# Allegro board 1156197-TDI_VU3P_QSFP28_CXP_V001_1023A-166-20241121_1644_PCB.brd (continued)
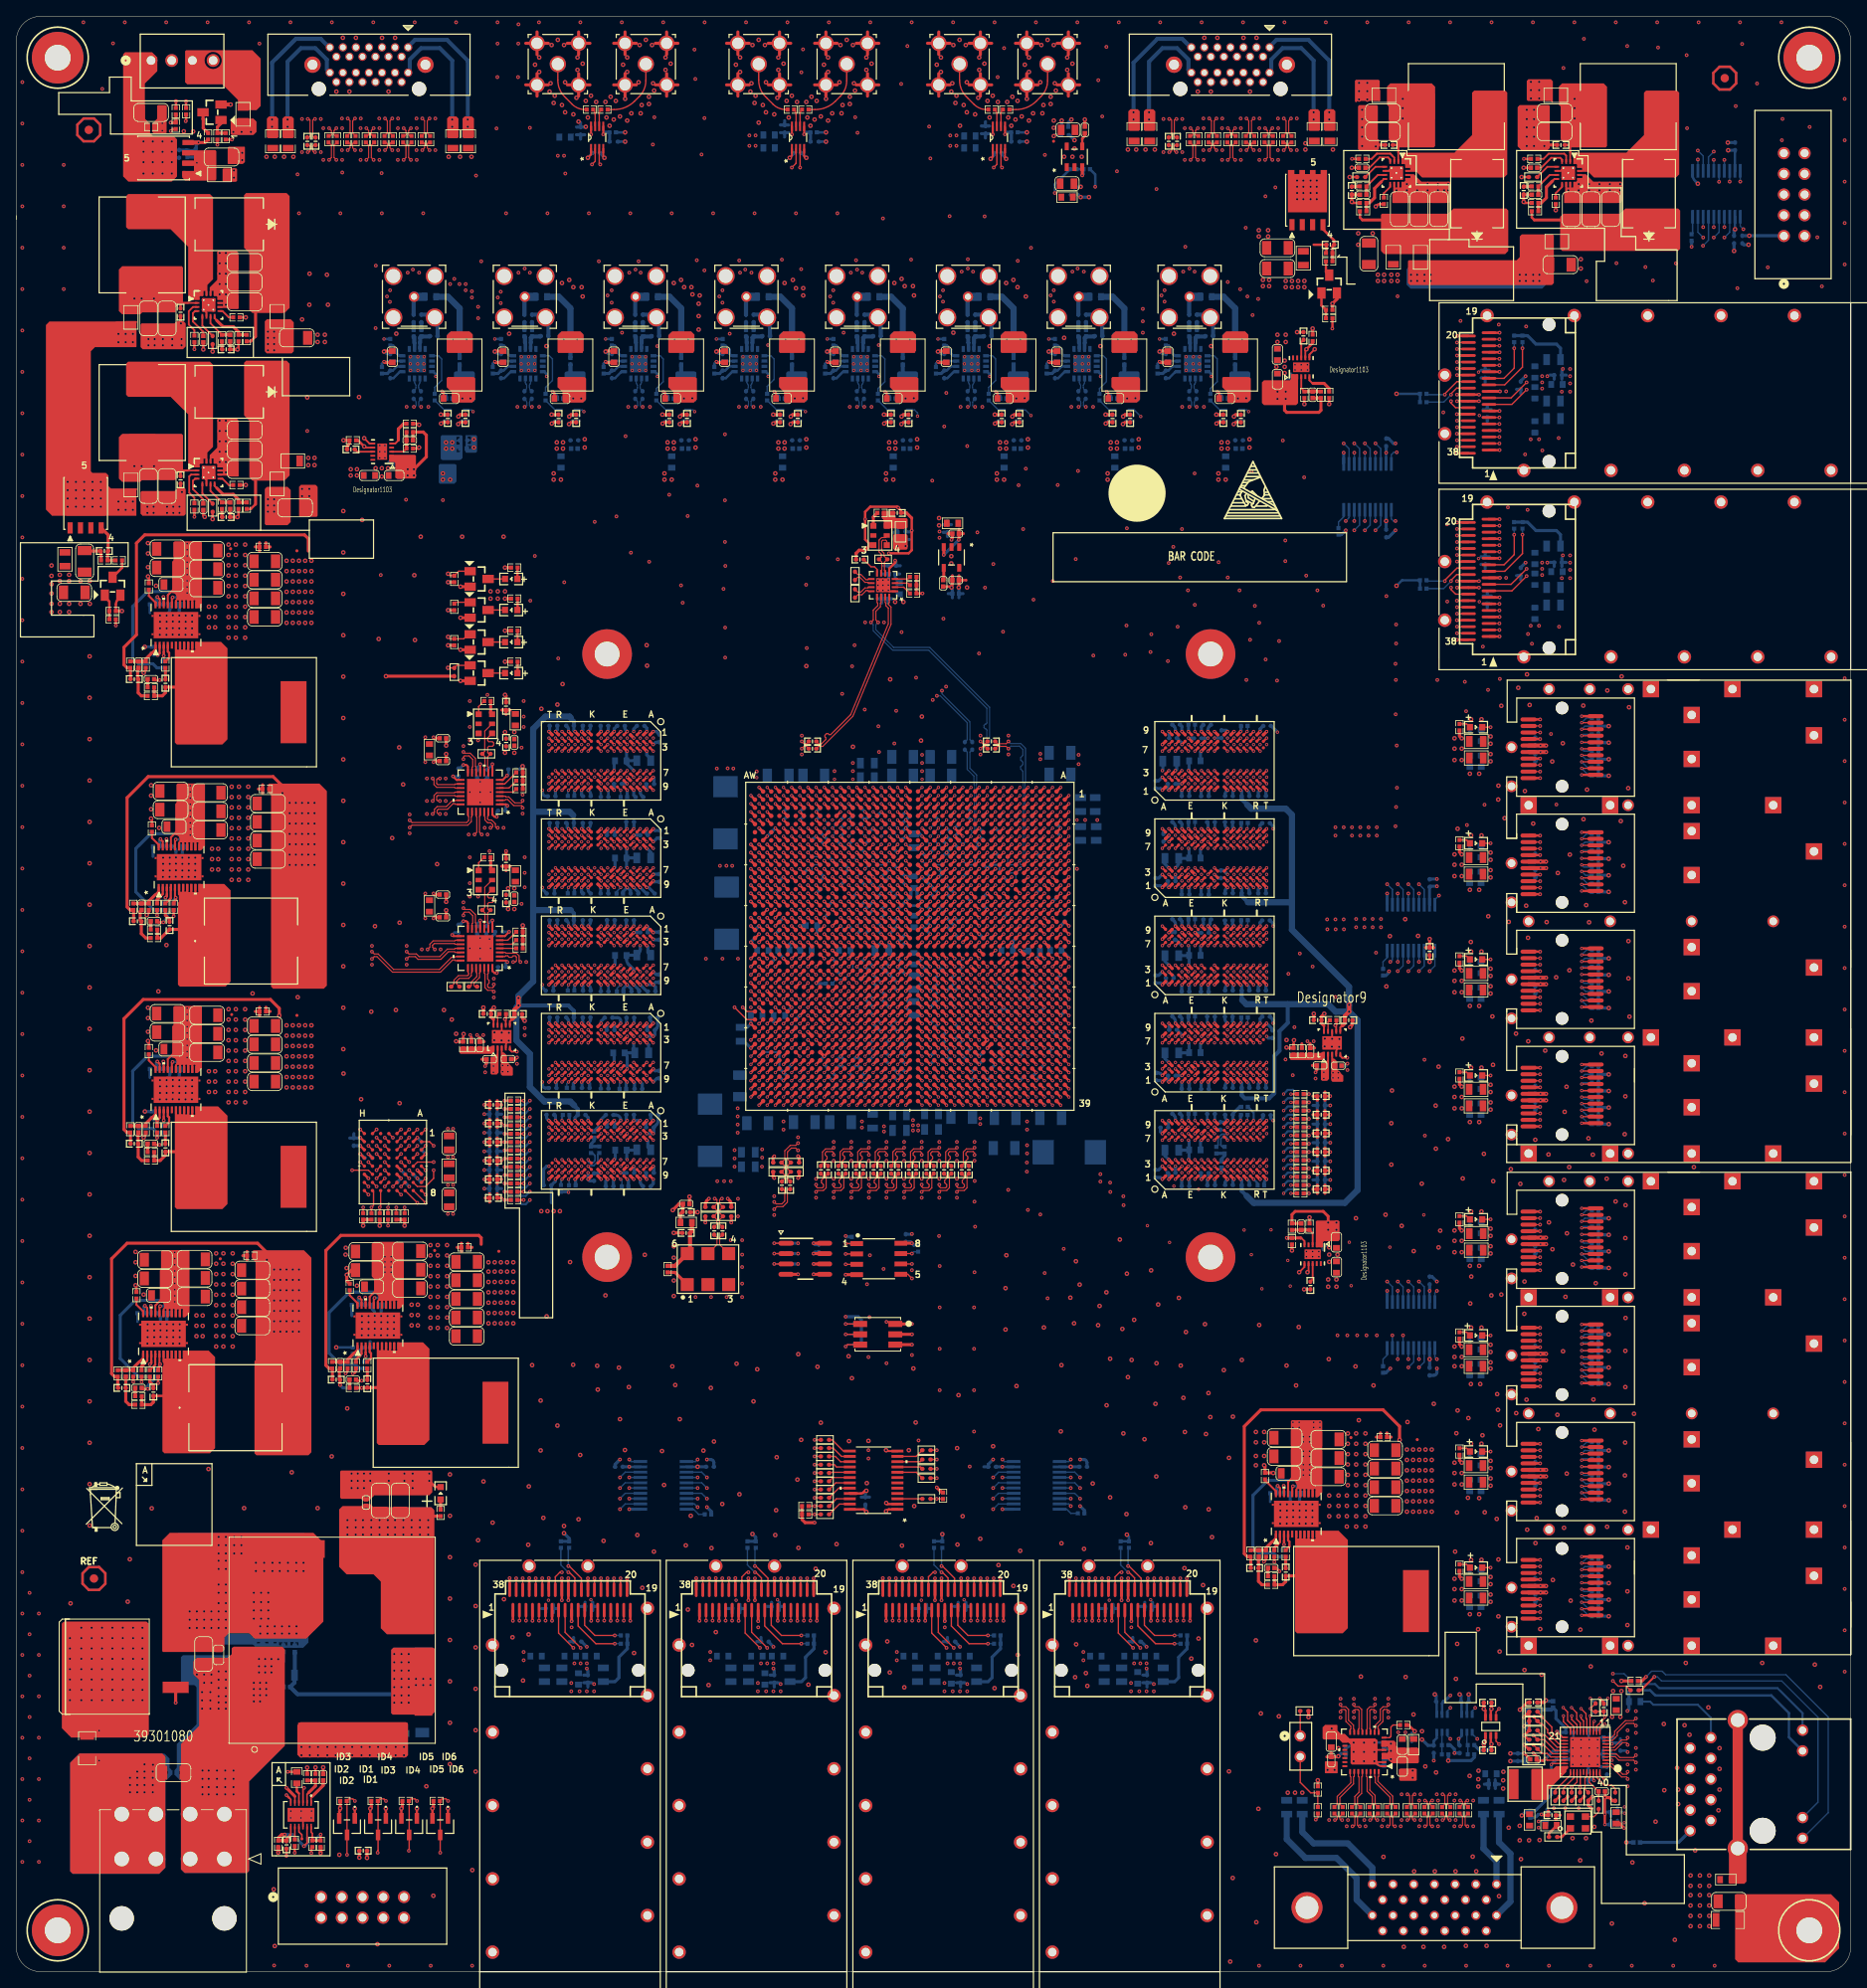
[diagram p0: board, top side]
## Routing (per net, layer and track width the routed paths; a pad name or vN(x,y) marks a point on that pad's centre or on a via; arc(x,y) is an arc through that point) (continued)
RF_ENABLE_1V8: length 181.6
  TOP w0.14: v1(93.1,119.36) 93.1,119.36 U1.AT27
  ART03 w0.122: v1(93.1,119.36) 91.6,117.86 91.6,114.11 91.35,113.86 89.85,113.86 89.41,113.41 89.41,107.06 89.79,106.68 89.79,103.76 91.31,102.23 92.58,102.23 96.14,98.68 115.7,98.68 116.84,97.54 116.84,90.93 113.86,87.95 113.86,86.04 105.66,77.85 105.66,64.14 v1(104.52,62.99)
  ART05 w0.122: v1(104.52,62.99) 104.9,63.37 115.82,63.37 116.33,63.88 121.28,63.88 123.13,62.04 123.13,60.64 128.02,55.75 133.6,55.75 135,54.36 141.35,54.36 149.61,46.1 149.61,40.64 155.96,34.29 171.32,34.29 173.99,31.62 178.18,31.62 v1(178.94,32.38)
  BOTTOM w0.17: U69.3 178.58,32.02 v1(178.94,32.38)
RF_FAULT_1V8: length 177.1
  TOP w0.14: v1(92.1,119.36) 92.1,119.36 U1.AU27
  ART03 w0.122: v1(104.52,64.01) 105.16,64.64 105.16,79.12 107,80.96 107.89,80.96 112.39,85.47 112.39,87.21 116.33,91.14 116.33,97.4 115.56,98.17 95.93,98.17 92.37,101.73 91.06,101.73 89.28,103.5 89.28,106.43 89.03,106.68 89.03,114.05 90.6,115.62 90.6,118.54 90.92,118.86 91.6,118.86 v1(92.1,119.36)
  ART05 w0.122: v1(175.9,32.38) 174.12,32.38 171.58,34.92 156.21,34.92 150.18,40.96 150.18,46.42 141.61,54.99 135.25,54.99 133.86,56.39 128.52,56.39 124.33,60.58 124.33,61.85 120.9,65.28 114.81,65.28 114.17,64.64 105.16,64.64 v1(104.52,64.01)
  BOTTOM w0.17: U70.3 175.53,32.02 v1(175.9,32.38)
RF_FPS_TRIGGER_N: length 123.5
  TOP w0.14: v1(166.65,32.79) 166.65,32.65 166.51,32.51 166.02,32.51 165.69,32.18 165.69,29.78 165.6,29.7 U67.12 ; U1.F29 v1(124.1,116.36)
  ART12 w0.102: 129.67,116.7 129.61,116.76 123.7,116.76 123.6,116.65 123.6,116.46 123.7,116.36 v1(124.1,116.36)
  ART12 w0.114: 129.67,116.7 129.83,116.7 130.63,115.9 130.63,92.71 150.98,72.36 150.98,60.83 151.27,60.54 152.54,60.54 152.65,60.43 152.65,59.74 152.54,59.63 151.27,59.63 150.98,59.33 150.98,58.39 151.27,58.1 152.54,58.1 152.65,57.98 152.65,57.3 152.54,57.18 151.27,57.18 150.98,56.89 150.98,48.87 155.57,44.27 155.57,40.92 158.12,38.38 165.58,38.38 167.33,36.63 167.33,36.33 167.22,36.22 167.04,36.22 166.93,36.1 166.93,35.88 167.04,35.76 167.22,35.76 167.33,35.65 167.33,35.42 167.22,35.3 167.04,35.3 166.93,35.19 166.93,34.96 167.04,34.85 167.22,34.85 167.33,34.73 167.33,32.62 167.22,32.5 166.94,32.5 v1(166.65,32.79)
RF_FPS_TRIGGER_N_C: length 21.5
  TOP w0.14: v1(166.05,18.62) 166.19,18.62 166.33,18.76 166.33,19.07 R571.1
  ART16 w0.114: J35.8 172.07,8.23 172.07,7.84 172.41,7.5 172.73,7.5 173.66,8.43 173.66,9.09 174.9,10.34 174.9,12.37 173.73,13.54 173.57,13.54 173.47,13.44 173.31,13.44 173.14,13.6 173.14,13.76 173.25,13.86 173.25,14.02 172.72,14.55 171.83,14.55 169.67,16.71 166.9,16.71 166.34,17.27 166.34,18.33 v1(166.05,18.62)
RF_FPS_TRIGGER_P: length 123.1
  TOP w0.14: v1(166.65,31.9) 166.65,32.04 166.51,32.18 166.16,32.18 166.02,32.04 166.02,29.83 166.1,29.75 U67.11 ; U1.G29 v1(123.1,116.36)
  ART12 w0.102: 129.67,117.01 129.62,116.96 123.62,116.96 123.4,116.74 123.4,116.46 123.3,116.36 v1(123.1,116.36)
  ART12 w0.114: 129.67,117.01 129.96,117.01 130.94,116.03 130.94,92.84 151.28,72.49 151.28,60.96 151.4,60.85 152.66,60.85 152.96,60.55 152.96,59.61 152.66,59.32 151.4,59.32 151.28,59.2 151.28,58.52 151.4,58.4 152.66,58.4 152.96,58.11 152.96,57.17 152.66,56.88 151.4,56.88 151.28,56.76 151.28,49 155.88,44.4 155.88,41.05 158.24,38.69 165.71,38.69 167.64,36.75 167.64,32.49 167.35,32.19 166.94,32.19 v1(166.65,31.9)
RF_FPS_TRIGGER_P_C: length 21.6
  TOP w0.14: v1(166.94,18.62) 166.8,18.62 166.66,18.76 166.66,19.07 R569.1
  ART16 w0.114: J35.21 172.67,7.01 173.96,8.3 173.96,8.96 175.21,10.21 175.21,12.5 172.85,14.86 171.96,14.86 169.8,17.02 167.03,17.02 166.65,17.4 166.65,18.33 v1(166.94,18.62)
RF_MOD_IN_FIXED_N: length 119
  TOP w0.14: U1.A30 v1(129.1,115.36) ; U67.14 164.6,29.75 164.69,29.83 164.69,32.04 164.55,32.18 164.2,32.18 164.06,32.04 v1(164.06,31.9)
  ART12 w0.102: 128.75,105.79 128.7,105.84 128.7,114.96 v1(129.1,115.36)
  ART12 w0.114: 128.75,105.79 128.75,89.82 148.14,70.43 148.14,66.62 148.25,66.51 148.91,66.51 149.2,66.21 149.2,65.27 148.91,64.98 148.25,64.98 148.14,64.86 148.14,64.51 147.84,64.21 146.95,64.21 146.84,64.1 146.84,63.41 146.95,63.3 147.84,63.3 148.14,63.01 148.14,62.06 147.84,61.77 146.95,61.77 146.84,61.66 146.84,60.97 146.95,60.86 147.84,60.86 148.14,60.56 148.14,60.37 149.1,59.41 149.1,47.96 153.19,43.86 153.19,43.22 152.89,42.92 152.03,42.92 151.92,42.81 151.92,42.12 152.03,42.01 152.89,42.01 153.19,41.71 153.19,39.44 158.06,34.57 158.91,34.57 159.03,34.69 159.03,36.41 159.32,36.7 160.26,36.7 160.56,36.41 160.56,34.69 160.67,34.57 164.51,34.57 164.93,34.15 164.93,32.49 164.64,32.19 164.35,32.19 v1(164.06,31.9)
RF_MOD_IN_FIXED_N_C: length 19.5
  TOP w0.14: R573.1 164.17,19.07 164.17,17.99 164.03,17.85 v1(163.89,17.85)
  ART16 w0.114: v1(163.89,17.85) 164.09,17.65 164.1,17.65 164.21,17.54 164.21,16.08 164.85,15.44 169.29,15.44 172.36,12.37 172.36,10.31 171.5,9.45 170.99,9.45 170.54,9.91 170.54,10.52 170.75,10.73 J35.9
RF_MOD_IN_FIXED_P: length 119
  TOP w0.14: v1(164.06,32.79) 164.06,32.65 164.2,32.51 164.69,32.51 165.02,32.18 165.02,29.78 165.11,29.7 U67.13 ; U1.B30 v1(128.1,115.36)
  ART12 w0.102: 128.44,105.79 128.5,105.85 128.5,114.96 v1(128.1,115.36)
  ART12 w0.114: v1(164.06,32.79) 164.35,32.5 164.51,32.5 164.63,32.62 164.63,34.02 164.39,34.26 160.54,34.26 160.25,34.56 160.25,36.28 160.13,36.4 159.45,36.4 159.33,36.28 159.33,34.56 159.04,34.26 157.93,34.26 152.88,39.32 152.88,41.59 152.77,41.7 151.91,41.7 151.61,41.99 151.61,42.93 151.91,43.23 152.77,43.23 152.88,43.34 152.88,43.74 148.79,47.83 148.79,59.28 147.83,60.25 147.83,60.43 147.71,60.55 146.83,60.55 146.53,60.84 146.53,61.78 146.83,62.08 147.71,62.08 147.83,62.19 147.83,62.88 147.71,62.99 146.83,62.99 146.53,63.29 146.53,64.23 146.83,64.52 147.71,64.52 147.83,64.64 147.83,64.99 148.12,65.28 148.78,65.28 148.89,65.4 148.89,66.08 148.78,66.2 148.12,66.2 147.83,66.49 147.83,70.31 128.44,89.69 128.44,105.79
RF_MOD_IN_FIXED_P_C: length 19.5
  TOP w0.14: v1(164.78,17.85) 164.64,17.85 164.5,17.99 164.5,19.07 R572.1
  ART16 w0.114: v1(164.78,17.85) 164.52,17.59 164.52,16.2 164.97,15.75 169.42,15.75 172.67,12.5 172.67,10.19 171.4,8.92 J35.22
RF_MOD_IN_VARIABLE_N: length 121.5
  TOP w0.14: v1(162.42,31.9) 162.42,32.04 162.56,32.18 162.94,32.18 163.08,32.04 163.08,30.72 163.69,30.11 163.69,29.83 163.6,29.75 U67.16 ; U1.D31 v1(126.1,114.36)
  ART12 w0.102: 127.44,105.79 127.5,105.85 127.5,114.59 127.33,114.76 126.2,114.76 126.1,114.65 v1(126.1,114.36)
  ART12 w0.114: v1(162.42,31.9) 162.13,32.19 161.54,32.19 161.35,32 161.08,32 160.89,32.19 157.73,32.19 157.62,32.08 157.62,30.47 157.32,30.18 156.38,30.18 156.09,30.47 156.09,32.08 155.97,32.19 155.28,32.19 154.84,32.64 154.84,35.66 150.66,39.84 150.66,43.98 147.55,47.09 147.55,57.17 146.69,58.04 146.69,58.45 147.15,58.91 147.15,59.07 146.66,59.56 146.5,59.56 146.04,59.1 145.62,59.1 144.28,60.44 144.28,61.42 144.58,61.71 145.48,61.71 145.59,61.83 145.59,62.51 145.48,62.63 144.58,62.63 144.28,62.92 144.28,63.86 144.58,64.16 145.48,64.16 145.59,64.27 145.59,64.96 145.48,65.07 144.58,65.07 144.28,65.36 144.28,66.56 144.58,66.85 145.48,66.85 145.59,66.96 145.59,67.65 145.48,67.76 144.58,67.76 144.28,68.06 144.28,69 144.58,69.29 145.48,69.29 145.59,69.41 145.59,70.09 145.48,70.21 144.58,70.21 144.28,70.5 144.28,71.44 127.44,88.28 127.44,105.79
RF_MOD_IN_VARIABLE_N_C: length 20.1
  TOP w0.14: R577.1 162.02,19.07 162.02,18.76 161.88,18.62 v1(161.73,18.62)
  ART14 w0.114: v1(161.73,18.62) 162.04,18.31 162.04,17.78 166.89,12.93 168.53,12.93 169.85,11.6 169.85,10.37 168.73,9.25 168.73,8.41 170.13,7.01 J35.23
RF_MOD_IN_VARIABLE_P: length 121.7
  TOP w0.14: v1(162.42,32.79) 162.42,32.65 162.56,32.51 163.08,32.51 163.41,32.18 163.41,30.85 164.02,30.25 164.02,29.78 164.1,29.7 U67.15 ; U1.D30 v1(126.1,115.36)
  ART12 w0.102: v1(126.1,115.36) 126.1,115.06 126.2,114.96 127.42,114.96 127.7,114.67 127.7,105.84 127.75,105.79
  ART12 w0.114: v1(162.42,32.79) 162.13,32.5 157.6,32.5 157.31,32.21 157.31,30.6 157.2,30.48 156.51,30.48 156.39,30.6 156.39,32.21 156.1,32.5 155.41,32.5 155.14,32.77 155.14,35.79 150.96,39.97 150.96,44.11 147.86,47.22 147.86,57.3 146.99,58.16 146.99,58.32 147.45,58.78 147.45,59.2 146.79,59.87 146.37,59.87 145.91,59.41 145.75,59.41 144.59,60.57 144.59,61.29 144.7,61.41 145.6,61.41 145.9,61.7 145.9,62.64 145.6,62.93 144.7,62.93 144.59,63.05 144.59,63.73 144.7,63.85 145.6,63.85 145.9,64.14 145.9,65.08 145.6,65.38 144.7,65.38 144.59,65.49 144.59,66.43 144.7,66.54 145.6,66.54 145.9,66.84 145.9,67.78 145.6,68.07 144.7,68.07 144.59,68.19 144.59,68.87 144.7,68.99 145.6,68.99 145.9,69.28 145.9,70.22 145.6,70.52 144.7,70.52 144.59,70.63 144.59,71.56 127.75,88.41 127.75,105.79
RF_MOD_IN_VARIABLE_P_C: length 20
  TOP w0.14: v1(162.62,18.62) 162.48,18.62 162.34,18.76 162.34,19.07 R575.1
  ART14 w0.114: J35.10 170.31,8.83 170.94,8.2 170.94,8 170.34,7.4 170.18,7.4 169.04,8.54 169.04,9.12 170.16,10.24 170.16,11.73 169.57,12.32 169.57,12.55 169.36,12.76 169.13,12.76 168.65,13.24 167.02,13.24 162.35,17.9 162.35,18.34 v1(162.62,18.62)
RF_SYNC_N: length 133.3
  TOP w0.14: v1(173.67,21.01) 173.53,21.01 173.39,20.87 173.39,20.56 R570.1 ; U1.G32 v1(123.1,113.36)
  ART12 w0.102: 123.44,105.79 123.5,105.85 123.5,113.6 123.35,113.76 123.2,113.76 123.1,113.65 v1(123.1,113.36)
  ART12 w0.114: 123.44,105.79 123.44,105.28 123.01,104.85 123.01,84.33 137.08,70.26 137.08,59.55 137.38,59.25 138.52,59.25 138.63,59.14 138.63,58.68 138.52,58.57 137.38,58.57 137.08,58.27 137.08,43.87 141.66,39.29 145.41,39.29 149,35.71 149,27.53 155.5,21.03 165.13,21.03 166.66,19.5 172.46,19.5 173.38,20.43 173.38,20.71 v1(173.67,21.01)
RF_SYNC_P: length 133.1
  TOP w0.14: R568.1 173.06,20.56 173.06,20.87 172.92,21.01 v1(172.78,21.01) ; U1.G31 v1(123.1,114.36)
  ART12 w0.102: v1(123.1,114.36) 123.1,114.06 123.2,113.96 123.43,113.96 123.7,113.69 123.7,105.84 123.75,105.79
  ART12 w0.114: 123.75,105.79 123.75,105.16 123.32,104.72 123.32,84.45 137.39,70.38 137.39,59.67 137.5,59.56 138.64,59.56 138.94,59.27 138.94,58.55 138.64,58.26 137.5,58.26 137.39,58.15 137.39,44 141.78,39.6 145.54,39.6 149.3,35.84 149.3,27.66 155.63,21.34 165.26,21.34 166.78,19.81 170.32,19.81 170.43,19.93 170.43,19.95 170.55,20.07 170.77,20.07 170.89,19.95 170.89,19.93 171,19.81 171.23,19.81 171.35,19.93 171.35,19.95 171.46,20.07 171.69,20.07 171.8,19.95 171.8,19.93 171.92,19.81 172.33,19.81 173.07,20.55 173.07,20.71 v1(172.78,21.01)
TIMING_SPI_CLK_N: length 123.4
  TOP w0.14: U67.10 166.6,29.7 166.69,29.78 166.69,30.25 167.3,30.85 167.3,32.18 167.63,32.51 168.15,32.51 168.29,32.65 v1(168.29,32.79) ; U1.F30 v1(124.1,115.36)
  ART12 w0.102: 129.44,115.7 129.38,115.76 123.86,115.76 123.7,115.6 123.7,115.46 123.8,115.36 v1(124.1,115.36)
  ART12 w0.114: v1(168.29,32.79) 168.46,32.62 169.04,32.62 169.55,32.11 169.55,30.66 169.21,30.33 166.14,30.33 165.68,30.79 165.68,36.65 164.89,37.44 157.35,37.44 154.1,40.69 154.1,44.27 150.01,48.36 150.01,70.54 129.41,91.13 129.41,105.72 129.74,106.05 129.74,115.55 129.59,115.7 129.44,115.7
TIMING_SPI_CLK_N_C: length 20.4
  TOP w0.14: R567.1 168.49,19.07 168.49,17.99 168.35,17.85 v1(168.21,17.85)
  ART14 w0.114: v1(168.21,17.85) 168.51,17.55 168.51,17.06 169.05,16.53 170.7,16.53 170.71,16.53 170.79,16.53 172.51,14.81 172.51,14.65 172.4,14.53 170.49,14.53 170.18,14.22 170.18,13.32 170.47,13.03 172.34,13.03 172.56,12.8 172.56,10.3 173.94,8.92 J35.20
TIMING_SPI_CLK_P: length 123.5
  TOP w0.14: U1.G30 v1(123.1,115.36) ; v1(168.29,31.9) 168.29,32.04 168.15,32.18 167.76,32.18 167.62,32.04 167.62,30.72 167.02,30.11 167.02,29.83 167.1,29.75 U67.9
  ART12 w0.102: 129.44,116.01 129.39,115.96 123.77,115.96 123.5,115.69 123.5,115.46 123.4,115.36 v1(123.1,115.36)
  ART12 w0.114: v1(168.29,31.9) 168.29,32.19 168.4,32.31 168.91,32.31 169.24,31.98 169.24,31.8 169.13,31.68 168.87,31.68 168.76,31.57 168.76,31.34 168.87,31.23 169.13,31.23 169.24,31.11 169.24,30.79 169.09,30.63 166.27,30.63 165.99,30.91 165.99,33.92 166.1,34.03 166.2,34.03 166.32,34.14 166.32,34.37 166.2,34.49 166.1,34.49 165.99,34.6 165.99,36.78 165.02,37.75 157.48,37.75 154.41,40.82 154.41,44.4 150.32,48.49 150.32,70.66 129.72,91.26 129.72,105.59 130.05,105.92 130.05,115.67 129.72,116.01 129.44,116.01
TIMING_SPI_CLK_P_C: length 20.4
  TOP w0.14: R566.1 168.82,19.07 168.82,17.99 168.96,17.85 v1(169.1,17.85)
  ART14 w0.114: J35.7 174.5,10.73 174.88,10.35 174.88,10.05 174.16,9.33 173.97,9.33 172.87,10.43 172.87,12.93 172.47,13.34 170.6,13.34 170.49,13.45 170.49,14.1 170.62,14.22 172.53,14.22 172.82,14.52 172.82,14.93 170.91,16.84 170.58,16.84 170.58,16.84 169.17,16.84 168.82,17.19 168.82,17.57 v1(169.1,17.85)
TIMING_SPI_CSN_N: length 134
  TOP w0.14: v1(174.94,21.77) 175.08,21.77 175.22,21.63 175.22,20.56 R565.1 ; U1.E31 v1(125.1,114.36)
  ART12 w0.102: 125.44,105.79 125.5,105.85 125.5,114.6 125.35,114.76 125.2,114.76 125.1,114.65 v1(125.1,114.36)
  ART12 w0.114: 125.44,105.79 125.44,105.16 126.13,104.47 126.13,86.92 141.62,71.44 141.62,61.36 144.63,58.35 144.63,55.84 144.92,55.55 146.14,55.55 146.25,55.44 146.25,54.98 146.14,54.87 144.92,54.87 144.63,54.57 144.63,52.76 146.23,51.16 146.23,46.89 148.94,44.17 148.94,39.78 153.54,35.18 153.54,27.73 156.69,24.58 159.51,24.58 160.27,23.82 163.12,23.82 163.41,24.12 163.41,24.85 163.53,24.97 164.21,24.97 164.33,24.85 164.33,24.12 164.62,23.82 165.56,23.82 165.86,24.12 165.86,24.85 165.97,24.97 166.66,24.97 166.77,24.85 166.77,24.12 167.07,23.82 168.27,23.82 169.16,22.93 172.9,22.93 173.02,22.82 173.02,22.69 173.13,22.58 173.36,22.58 173.47,22.69 173.47,22.82 173.59,22.93 173.82,22.93 173.93,22.82 173.93,22.69 174.04,22.58 174.27,22.58 174.39,22.69 174.39,22.82 174.5,22.93 174.88,22.93 175.23,22.58 175.23,22.06 v1(174.94,21.77)
TIMING_SPI_CSN_P: length 133.4
  TOP w0.14: U1.E30 v1(125.1,115.36) ; R564.1 175.55,20.56 175.55,21.63 175.69,21.77 v1(175.83,21.77)
  ART12 w0.102: 125.75,105.79 125.7,105.84 125.7,114.69 125.43,114.96 125.2,114.96 125.1,115.06 v1(125.1,115.36)
  ART12 w0.114: 125.75,105.79 125.75,105.29 126.44,104.6 126.44,87.05 141.92,71.56 141.92,61.48 144.93,58.47 144.93,55.97 145.05,55.86 146.26,55.86 146.56,55.56 146.56,54.85 146.26,54.56 145.05,54.56 144.93,54.44 144.93,52.88 146.53,51.28 146.53,47.02 149.25,44.3 149.25,39.91 153.85,35.31 153.85,27.86 156.82,24.89 159.64,24.89 160.4,24.13 162.99,24.13 163.11,24.24 163.11,24.98 163.4,25.27 164.34,25.27 164.64,24.98 164.64,24.24 164.75,24.13 165.44,24.13 165.55,24.24 165.55,24.98 165.84,25.27 166.79,25.27 167.08,24.98 167.08,24.24 167.19,24.13 168.4,24.13 169.29,23.24 175.01,23.24 175.54,22.71 175.54,22.06 v1(175.83,21.77)
TIMING_SPI_MISO_N: length 131.5
  TOP w0.14: R576.1 170.91,20.56 170.91,21.63 170.77,21.77 v1(170.62,21.77) ; U1.E32 v1(125.1,113.36)
  ART12 w0.102: 124.75,105.79 124.7,105.84 124.7,112.96 v1(125.1,113.36)
  ART12 w0.114: 124.75,105.79 124.75,104.79 125.09,104.44 125.09,85.72 140.77,70.05 140.77,54.58 141.49,53.86 141.65,53.86 142.43,54.64 142.85,54.64 143.35,54.13 143.35,53.72 142.57,52.94 142.57,52.78 144.53,50.83 144.53,43.94 147.1,41.36 147.1,40.35 151.06,36.4 151.06,35.29 151.17,35.17 152.39,35.17 152.68,34.88 152.68,33.94 152.39,33.64 151.17,33.64 151.06,33.53 151.06,31.32 151.17,31.2 151.98,31.2 152.27,30.91 152.27,29.97 151.98,29.67 151.17,29.67 151.06,29.56 151.06,27.94 155.7,23.29 158.5,23.29 159,22.79 166.04,22.79 167.01,21.81 167.17,21.81 167.35,21.99 167.52,21.99 167.68,21.83 167.68,21.67 167.5,21.49 167.5,21.33 167.82,21.01 168.09,21.01 168.2,21.12 168.2,21.27 168.32,21.39 168.55,21.39 168.66,21.27 168.66,21.12 168.78,21.01 169,21.01 169.12,21.12 169.12,21.27 169.23,21.39 169.46,21.39 169.58,21.27 169.58,21.12 169.69,21.01 170.6,21.01 170.92,21.32 170.92,21.48 v1(170.62,21.77)
TIMING_SPI_MISO_P: length 130.8
  TOP w0.14: v1(171.51,21.77) 171.37,21.77 171.23,21.63 171.23,20.56 R574.1 ; U1.F32 v1(124.1,113.36)
  ART12 w0.102: v1(124.1,113.36) 124.5,112.96 124.5,105.85 124.44,105.79
  ART12 w0.114: v1(171.51,21.77) 171.22,21.48 171.22,21.19 170.73,20.7 167.69,20.7 165.91,22.48 158.88,22.48 158.37,22.99 155.57,22.99 150.75,27.81 150.75,29.69 151.04,29.98 151.85,29.98 151.97,30.09 151.97,30.78 151.85,30.89 151.04,30.89 150.75,31.19 150.75,33.66 151.04,33.95 152.26,33.95 152.37,34.06 152.37,34.75 152.26,34.86 151.04,34.86 150.75,35.16 150.75,36.27 146.8,40.22 146.8,41.24 144.22,43.81 144.22,50.7 142.27,52.65 142.27,53.07 143.04,53.84 143.04,54.01 142.72,54.33 142.56,54.33 141.78,53.55 141.36,53.55 140.46,54.46 140.46,69.93 124.79,85.6 124.79,104.32 124.44,104.66 124.44,105.79
TIMING_SPI_MOSI_N: length 133
  TOP w0.14: R563.1 177.38,20.56 177.38,20.87 177.24,21.01 v1(177.1,21.01) ; U1.E28 v1(125.1,117.36)
  ART12 w0.102: v1(125.1,117.36) 124.8,117.36 124.7,117.46 124.7,117.6 124.86,117.76 129.61,117.76 129.67,117.7
  ART12 w0.114: v1(177.1,21.01) 177.39,21.3 177.39,21.92 177.28,22.03 177.1,22.03 176.99,22.15 176.99,22.38 177.1,22.49 177.28,22.49 177.39,22.61 177.39,22.83 177.28,22.95 177.1,22.95 176.99,23.06 176.99,23.29 177.1,23.41 177.28,23.41 177.39,23.52 177.39,26.06 177.75,26.42 177.75,28.83 174.83,31.75 174.83,64.32 169.34,69.8 156.9,69.8 131.77,94.92 131.77,116.08 130.15,117.7 129.67,117.7
TIMING_SPI_MOSI_P: length 132.8
  TOP w0.14: R562.1 177.71,20.56 177.71,20.87 177.85,21.01 v1(177.99,21.01) ; U1.F28 v1(124.1,117.36)
  ART12 w0.102: 129.67,118.01 129.62,117.96 124.77,117.96 124.5,117.69 124.5,117.46 124.4,117.36 v1(124.1,117.36)
  ART12 w0.114: v1(177.99,21.01) 177.7,21.3 177.7,25.93 178.05,26.29 178.05,28.96 175.13,31.88 175.13,64.44 169.47,70.1 157.03,70.1 132.08,95.05 132.08,116.2 130.28,118.01 129.67,118.01
TO_CAMERA2_CLK_N: length 139.1
  TOP w0.14: v1(36.64,223.33) 36.5,223.33 36.36,223.47 36.36,224.05 36.5,224.19 C882.2 ; U1.AW27 90.1,119.36 v1(90.1,119.36)
  ART14 w0.102: 87.45,119.08 87.46,119.08 87.5,119.04 89.68,119.04 89.76,118.96 90.35,118.96 90.5,119.11 90.5,119.26 90.4,119.36 v1(90.1,119.36)
  ART14 w0.114: 87.45,119.08 83.37,119.08 79.02,123.42 79.02,161.08 arc(78.71,162.66) 77.81,163.99 68.29,173.52 arc(63.49,176.73) 57.83,177.85 55.21,177.85 arc(53.01,178.29) 51.15,179.53 47.21,183.47 arc(46.77,184.14) 46.61,184.93 46.61,186.69 arc(46.44,187.56) 45.95,188.3 41.15,193.09 arc(40.4,194.22) 40.13,195.55 40.13,209.18 arc(39.79,210.91) 38.81,212.37 37.84,213.35 arc(36.74,215) 36.35,216.94 36.35,218.35 36.53,218.52 36.53,218.8 36.35,218.98 36.35,219.26 36.53,219.44 36.53,219.72 36.35,219.89 36.35,220.17 36.53,220.35 36.53,220.63 36.35,220.81 36.35,221.09 36.53,221.27 36.53,221.55 36.35,221.72 36.35,222 36.53,222.18 36.53,222.46 36.35,222.64 36.35,223.04 v1(36.64,223.33)
TO_CAMERA2_CLK_P: length 139.3
  TOP w0.14: U1.AV27 91.1,119.36 v1(91.1,119.36) ; C881.2 35.89,224.19 36.03,224.05 36.03,223.47 35.89,223.33 v1(35.75,223.33)
  ART14 w0.102: 87.45,118.77 87.52,118.84 89.59,118.84 89.68,118.76 90.43,118.76 90.7,119.03 90.7,119.26 90.8,119.36 v1(91.1,119.36)
  ART14 w0.114: 87.45,118.77 83.24,118.77 78.71,123.29 78.71,161.08 arc(78.42,162.54) 77.6,163.78 68.07,173.3 arc(63.37,176.44) 57.83,177.55 55.21,177.55 arc(52.9,178.01) 50.93,179.32 46.99,183.26 arc(46.48,184.02) 46.3,184.93 46.3,186.69 arc(46.15,187.44) 45.73,188.08 40.93,192.87 arc(40.11,194.1) 39.82,195.55 39.82,209.18 arc(39.5,210.79) 38.59,212.16 37.62,213.13 arc(36.45,214.88) 36.04,216.94 36.04,223.04 v1(35.75,223.33)
TO_CAMERA2_LVDS0_N: length 139.8
  TOP w0.14: v1(41.54,223.57) 41.26,223.85 41.26,224.38 41.4,224.52 R523.1 ; U1.AV25 v1(92.1,121.36)
  ART14 w0.102: 89.28,121.79 89.36,121.79 89.52,121.96 91.43,121.96 91.7,121.69 91.7,121.46 91.8,121.36 92.1,121.36 v1(92.1,121.36)
  ART14 w0.114: 89.28,121.79 89.03,121.54 84.56,121.54 81.26,124.83 81.26,164.91 60.76,185.42 52.83,185.42 46.1,192.15 46.1,193.17 43.27,196 43.27,211.47 43.39,211.58 45.68,211.58 45.97,211.88 45.97,212.7 45.68,213 43.39,213 43.27,213.11 43.27,215.3 41.25,217.32 41.25,223.28 v1(41.54,223.57)
TO_CAMERA2_LVDS0_P: length 140
  TOP w0.14: v1(40.65,223.57) 40.93,223.85 40.93,224.38 40.79,224.52 R522.1 ; U1.AV24 v1(91.1,121.36)
  ART14 w0.102: 89.5,121.58 89.5,121.65 89.61,121.76 91.35,121.76 91.5,121.6 91.5,121.46 91.4,121.36 v1(91.1,121.36)
  ART14 w0.114: 89.5,121.58 89.15,121.23 84.43,121.23 80.96,124.7 80.96,164.78 60.63,185.11 52.7,185.11 45.79,192.02 45.79,193.04 42.96,195.87 42.96,211.6 43.26,211.89 45.55,211.89 45.67,212 45.67,212.58 45.55,212.69 43.26,212.69 42.96,212.98 42.96,215.17 40.94,217.19 40.94,223.28 v1(40.65,223.57)
TO_CAMERA2_LVDS1_N: length 138.7
  TOP w0.14: v1(39.26,222.38) 38.98,222.66 38.98,224.17 R527.1 ; U1.AW26 90.1,120.36 v1(90.1,120.36)
  ART14 w0.102: 89.69,120.02 89.74,119.96 90.35,119.96 90.5,120.11 90.5,120.26 90.4,120.36 v1(90.1,120.36)
  ART14 w0.114: 89.69,120.02 89.07,120.02 88.84,120.24 88.61,120.24 88.38,120.02 88.15,120.02 87.92,120.24 87.7,120.24 87.47,120.02 87.24,120.02 87.01,120.24 86.78,120.24 86.55,120.02 86.32,120.02 86.1,120.24 85.87,120.24 85.64,120.02 84.46,120.02 80.11,124.36 80.11,163.93 62.25,181.79 51.94,181.79 50.09,183.64 50.09,184.99 48.01,187.07 48.01,188.21 44.32,191.9 44.32,192.79 41.71,195.4 41.71,212.85 38.96,215.59 38.96,216.57 39.12,216.72 39.12,217.03 38.96,217.18 38.96,217.48 39.12,217.64 39.12,217.94 38.96,218.09 38.96,218.4 39.12,218.55 39.12,218.86 38.96,219.01 38.96,219.31 39.12,219.46 39.12,219.77 38.96,219.92 38.96,220.23 39.12,220.38 39.12,220.69 38.96,220.84 38.96,221.14 39.12,221.29 39.12,221.6 38.96,221.75 38.96,222.09 v1(39.26,222.38)
TO_CAMERA2_LVDS1_P: length 138
  TOP w0.14: v1(38.37,222.38) 38.65,222.66 38.65,224.17 R526.1 ; U1.AV26 91.1,120.36 v1(91.1,120.36)
  ART14 w0.102: v1(91.1,120.36) 90.8,120.36 90.7,120.26 90.7,120.03 90.43,119.76 89.74,119.76 89.69,119.71
  ART14 w0.114: 89.69,119.71 84.33,119.71 79.81,124.23 79.81,163.8 62.13,181.48 51.82,181.48 49.78,183.51 49.78,184.86 47.7,186.94 47.7,188.09 44.02,191.77 44.02,192.66 41.4,195.27 41.4,212.72 38.66,215.47 38.66,222.09 v1(38.37,222.38)
TO_CAMERA2_LVDS2_N: length 134.8
  TOP w0.14: U1.AW24 v1(91.1,122.36) ; v1(43.83,222.38) 43.55,222.66 43.55,224.17 R531.1
  ART14 w0.102: 89.48,123.01 89.54,122.96 90.43,122.96 90.7,122.69 90.7,122.46 90.8,122.36 v1(91.1,122.36)
  ART14 w0.114: v1(43.83,222.38) 43.54,222.09 43.54,217.93 44.84,216.63 45,216.63 45.97,217.6 46.39,217.6 47.05,216.93 47.05,216.51 46.08,215.54 46.08,215.38 46.57,214.9 46.73,214.9 47.7,215.87 48.12,215.87 48.78,215.2 48.78,214.78 47.81,213.82 47.81,213.65 49.25,212.22 52.83,212.22 57.78,207.26 57.78,193.55 63.75,187.58 63.75,184.05 82.19,165.61 82.19,125.81 85.32,122.68 88.82,122.68 89.15,123.01 89.48,123.01
TO_CAMERA2_LVDS2_P: length 135
  TOP w0.14: R530.1 43.22,224.17 43.22,222.66 v1(42.94,222.38) ; U1.AW23 v1(90.1,122.36)
  ART14 w0.102: v1(90.1,122.36) 90.4,122.36 90.5,122.46 90.5,122.6 90.35,122.75 89.53,122.75 89.48,122.71
  ART14 w0.114: 89.48,122.71 89.28,122.71 88.95,122.37 85.19,122.37 81.89,125.68 81.89,165.48 63.45,183.92 63.45,187.45 57.48,193.42 57.48,207.14 52.7,211.91 49.12,211.91 47.51,213.53 47.51,213.94 48.47,214.91 48.47,215.07 47.99,215.56 47.83,215.56 46.86,214.59 46.44,214.59 45.78,215.26 45.78,215.67 46.75,216.64 46.75,216.8 46.26,217.29 46.1,217.29 45.13,216.32 44.71,216.32 43.23,217.8 43.23,222.09 v1(42.94,222.38)
TO_CAMERA2_RSV_LVDS0_N: length 144.3
  TOP w0.14: U1.AR23 v1(94.1,122.36) ; R535.1 47.79,224.17 47.79,222.66 v1(47.51,222.38)
  ART14 w0.102: 92.18,124.84 92.2,124.87 92.4,124.87 92.5,124.76 92.5,124.11 92.85,123.76 92.86,123.76 93.51,123.76 94.45,122.81 94.45,122.46 94.35,122.36 v1(94.1,122.36)
  ART14 w0.114: 92.18,124.84 87.32,124.84 84.02,128.14 84.02,173.48 79.41,178.09 79.41,178.51 79.95,179.04 79.95,179.21 79.54,179.61 79.38,179.61 78.84,179.07 78.43,179.07 72.39,185.11 72.39,193.88 71.32,194.94 71.32,208.15 67.31,212.17 57.43,212.17 55.48,214.12 55.48,214.53 56.28,215.33 56.28,215.49 55.8,215.98 55.63,215.98 54.83,215.18 54.42,215.18 53.75,215.85 53.75,216.26 54.55,217.06 54.55,217.22 54.07,217.71 53.91,217.71 53.11,216.91 52.69,216.91 52.02,217.57 52.02,217.99 52.82,218.79 52.82,218.95 52.34,219.44 52.18,219.44 51.38,218.64 50.96,218.64 50.3,219.3 50.3,219.72 51.1,220.52 51.1,220.68 50.61,221.17 50.45,221.17 49.65,220.37 49.23,220.37 47.8,221.8 47.8,222.09 v1(47.51,222.38)
TO_CAMERA2_RSV_LVDS0_P: length 144.2
  TOP w0.14: R534.1 48.12,224.17 48.12,222.66 v1(48.4,222.38) ; U1.AP23 v1(95.1,122.36)
  ART14 w0.102: 92.18,125.15 92.26,125.07 92.48,125.07 92.7,124.85 92.7,124.19 92.94,123.96 92.94,123.96 93.59,123.96 94.65,122.9 94.65,122.48 94.78,122.36 v1(95.1,122.36)
  ART14 w0.114: v1(48.4,222.38) 48.11,222.09 48.11,221.92 49.36,220.67 49.52,220.67 50.32,221.47 50.74,221.47 51.4,220.81 51.4,220.39 50.6,219.59 50.6,219.43 51.09,218.95 51.25,218.95 52.05,219.75 52.47,219.75 53.13,219.08 53.13,218.66 52.33,217.86 52.33,217.7 52.82,217.22 52.98,217.22 53.78,218.02 54.19,218.02 54.86,217.35 54.86,216.94 54.06,216.13 54.06,215.97 54.54,215.49 54.71,215.49 55.51,216.29 55.92,216.29 56.59,215.62 56.59,215.21 55.79,214.41 55.79,214.24 57.56,212.47 67.43,212.47 71.63,208.28 71.63,195.07 72.7,194 72.7,185.24 78.56,179.38 78.72,179.38 79.25,179.92 79.67,179.92 80.26,179.33 80.26,178.92 79.72,178.38 79.72,178.22 84.33,173.61 84.33,128.27 87.45,125.15 92.18,125.15
